# Altium PCB HYDRA_V3_NAV.PcbDoc (part 2 of 2)
Units mm, origin at the board's own origin, x right, y up, seen from the top; angles counter-clockwise.
Board outline 50.1 x 45.1 mm, 4 copper layers (TOP SIG, PWR + INT SIG, GND, BOTTOM SIG), stack 1.586 mm thick; 171 components, 128 nets, 697 pads, 193 vias.
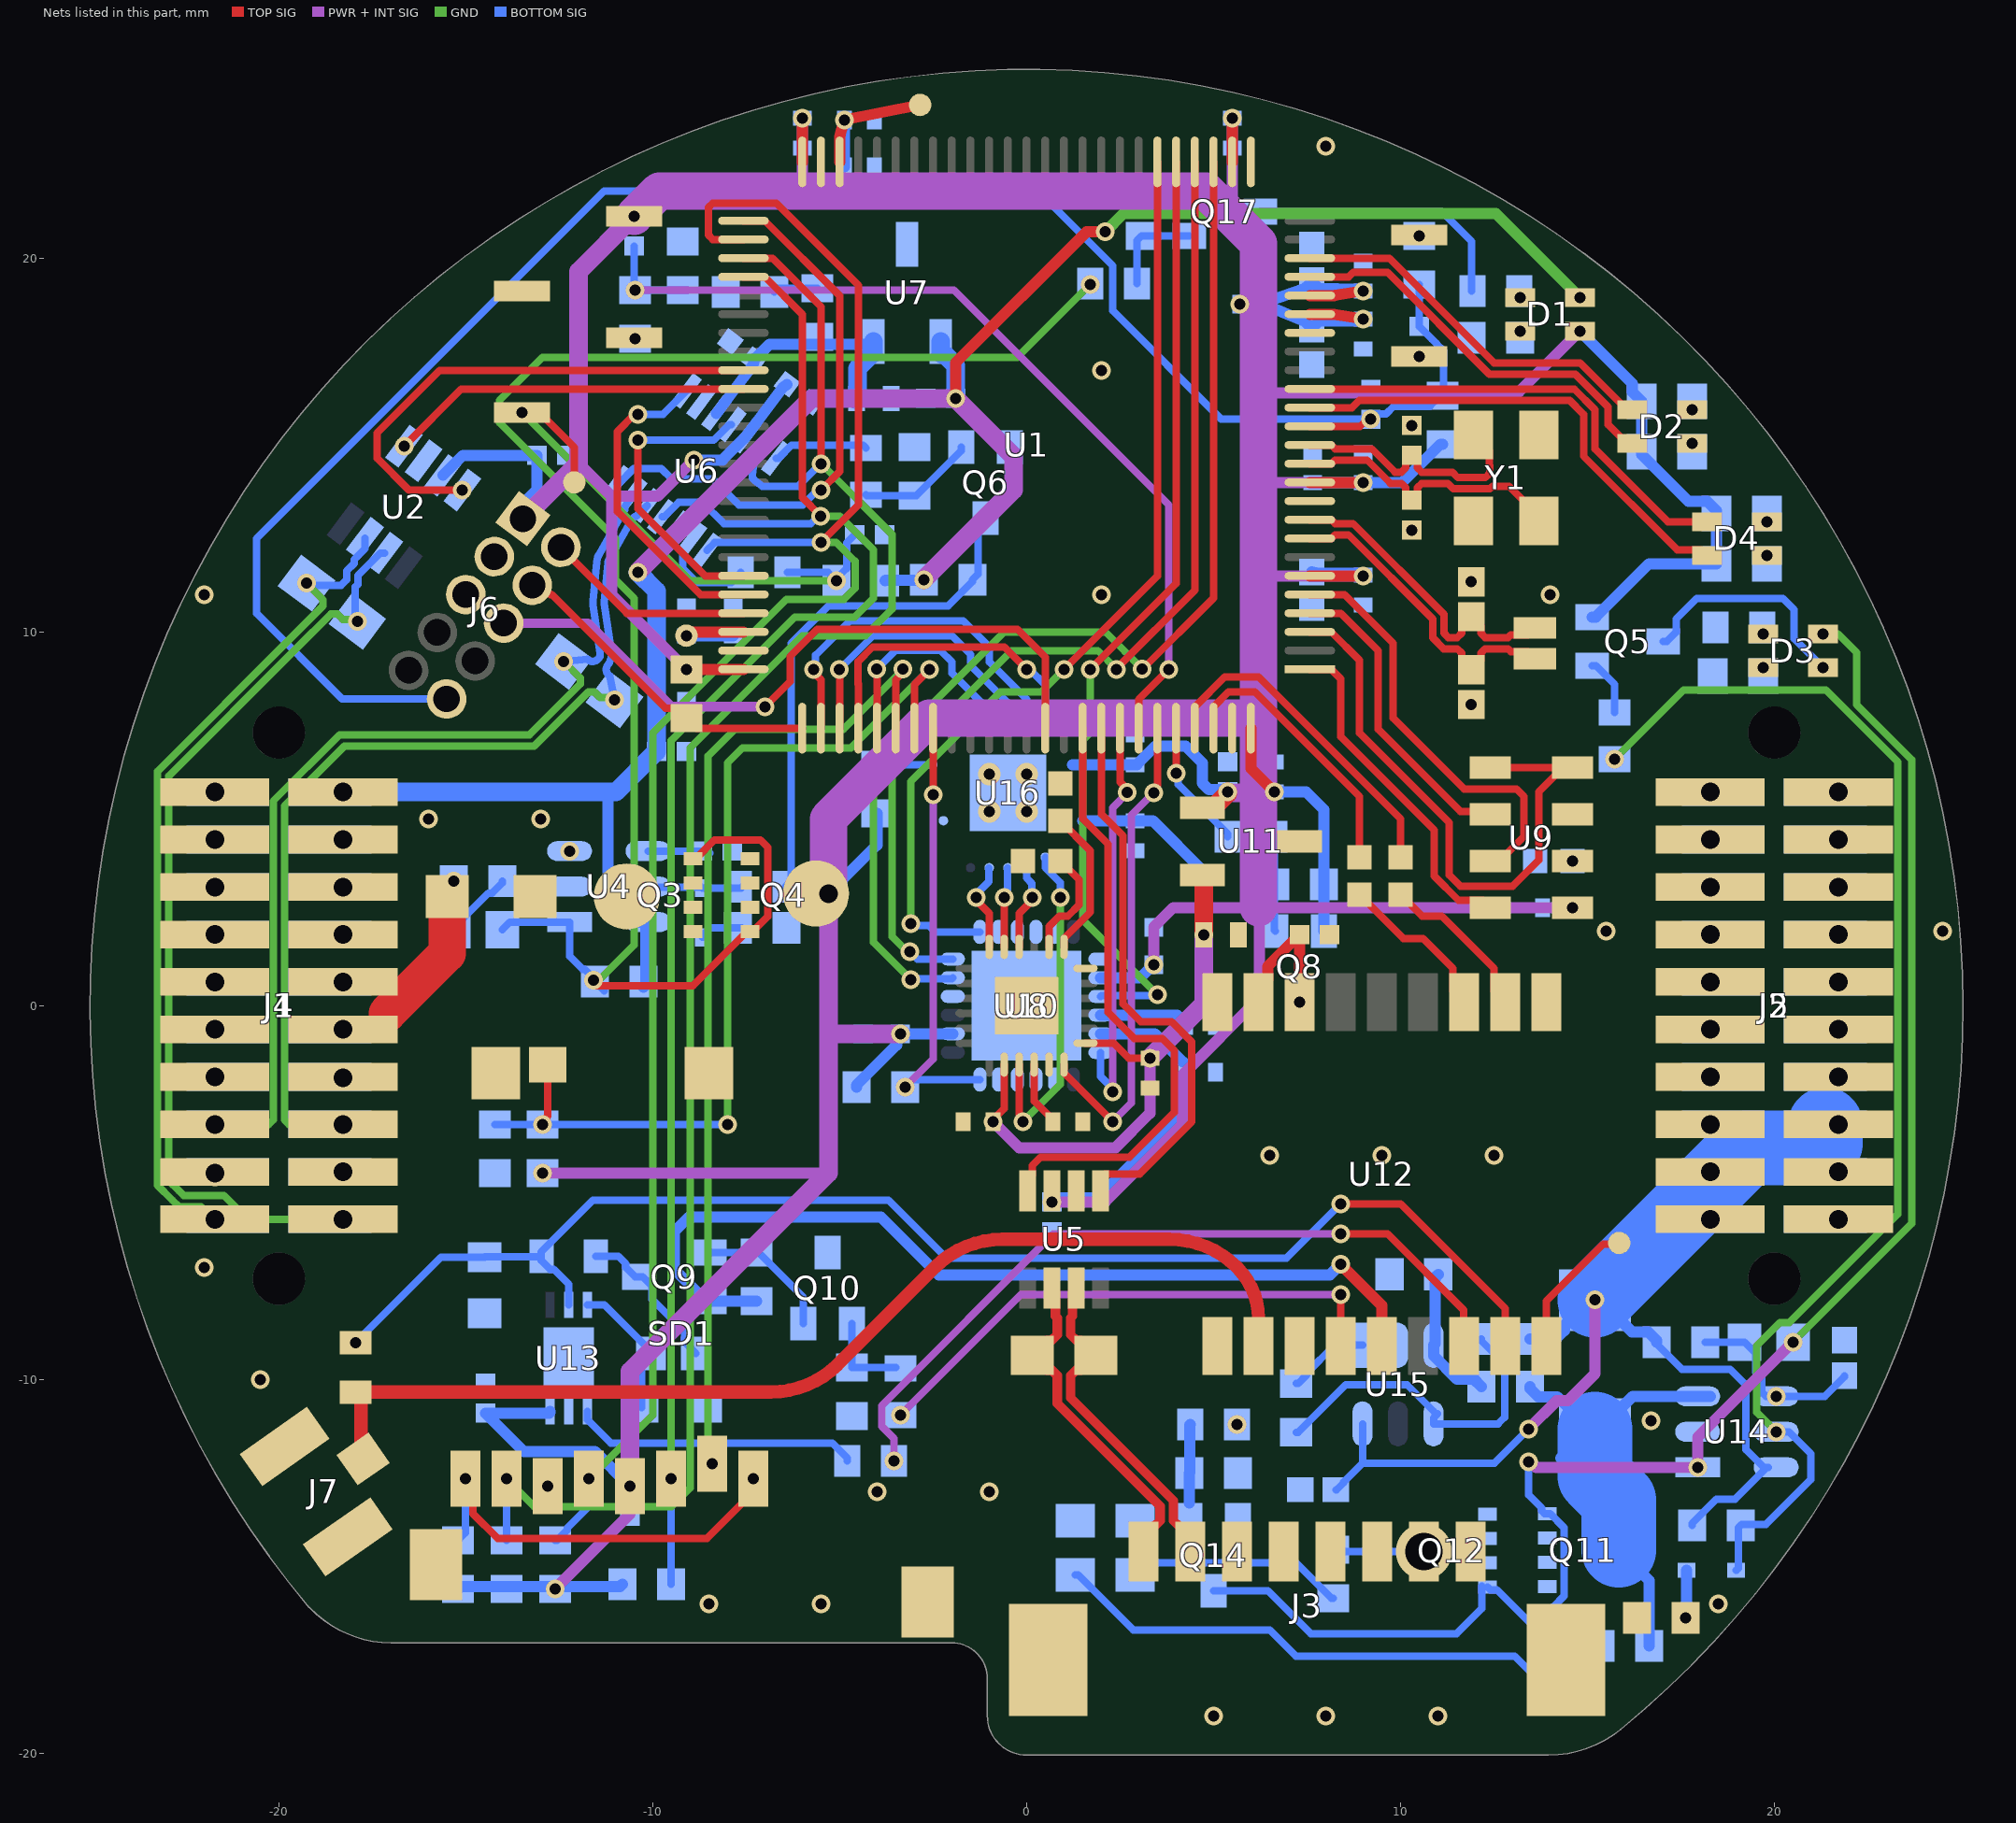
[diagram p4: the nets of this part, all layers, seen from the top]

## Part data (continued)
SW1 SW2 SW3: library part CMP-10040-000029-1, "SWITCH TACTILE SPST-NO 0.02A 15V", Current Rating=5A, Flammability Rating="UL94 V-0", Insulation Color=Black, Max Operating Temperature=85°C, Min Operating Temperature=-40°C, Operating Force=240gf, Actuator Type=Standard, Connector Type=USB, Contact Plating=Gold, Gender=Receptacle, Illumination Type=Non-Illuminated, Mechanical Life=500000Cycles, Mount="Surface Mount", Number Of Contacts=24, Number of Ports=1, Packaging="Tape and Reel", Switch Function=Off-Mom, Switch Travel=0.13mm, Termination=Solder, Throw Configuration=SPST
TP5 TP6 TP7 TP13: library part CMP-00028-00002-2, "0.6mm round", Pins=1
U1: library part CMP-12105-000107-1, "IC MCU 32BIT 128KB FLASH 100LQFP"
U2 U5: library part CMP-04872-000178-1, "IC TRANSCEIVER 1/1 SOT23-8", Case/Package=SOT-23-8, Max Operating Temperature=125°C, Min Operating Temperature=-40°C, Data Rate=1Mbps, Lead Free="Lead Free", Mount="Surface Mount", Packaging="Tape and Reel", RoHS Compliant=Yes
U4 U14 U15: library part CMP-04896-000098-1, "40V, RAIL-TO-RAIL INPUT, PUSH-PU"
U6: library part CMP-318-000000-2, "Automotive CAN FD transceiver with watchdog, bus diagnostics and partial networking via sele 14-SOT-23-THIN -40 to 150", Component Type=Standard, Design Item ID=CMP-015-00012-2, Pin Count=14, Source=TCAN1146DYYRQ1.SchLib
U7: library part CMP-019-00041-1, "Ldo Cmos Lowcurr SOT23 T&r 3K"
U8: library part CMP-010-00029-2, "6-axis IMU with extended temperature range and high VRE performance"
U9: library part CMP-2000-05251-1, "Barometric Pressure Sensor, with Stainless Steel Cap, 1.8 to 3.6 V, -45 to 85 degC, 8-Pin QFN, RoHS, Tape and Reel", Manufacturer="Measurement Specialties", Operating Pressure Max=1200mbar, Operating Pressure Min=10mbar, Operating Temperature Max=85degC, Operating Temperature Min=-40degC, Package Description="8-Pin Surface Mount Device, Body 5 x 3 mm, Pitch 1.25 mm", Package Reference=MS561101BA03-50-8, Sensor Case Style=QFN, Supply Current=12.5µA, Supply Voltage Max=3.6V, Supply Voltage Min=1.8V, Connection Size=0.5mm, Datasheet URL=http://www.te.com/commerce/DocumentDelivery/DDEController?Action=srchrtrv&DocNm=MS5611-01BA03&DocType=Data+Sheet&DocLang=English&DocFormat=pdf&PartCntxt=CAT-BLPS0036, Datasheet Version=Sep-15, Manufacturer URL=http://www.meas-spec.com/, No. of Pins=8, Pressure Type=Barometric, SVHC=NoSVHC(20-Jun-2013)
U10: library part CMP-2000-07532-1, "World’s Lowest Power 9-Axis MEMS MotionTracking(TM) Device, 1.71 to 3.6 V, -40 to 85 degC, 24-Pin QFN, RoHS, Tape and Reel", Manufacturer=TDK, Package Description="24-Pin Quad Flat No-lead Package, Body 3 x 3 mm, Pitch 0.4 mm", Package Reference=QFN-24, Datasheet URL=https://www.invensense.com/wp-content/uploads/2016/06/DS-000189-ICM-20948-v1.3.pdf, Datasheet Version="Rev. 1.3, 06/2017", Manufacturer URL=http://www.tdk.com/, Mounting Technology=SurfaceMount
U11: library part CMP-019-00042-1, "Fixed Positive LDO Regulator", RoHS Compliant=Yes
U12: library part CMP-010-00031-1, "Gnss Lcc Rx Mod, Rom, Crystal"
U13: library part CMP-09116-000039-1, "IC OPAMP GP 1 CIRCUIT 6DFN", Case/Package=DFN, Input Bias Current=12nA, Input Offset Voltage (Vos)=1.2mV, Max Operating Temperature=85°C, Max Supply Voltage=18V, Min Operating Temperature=-40°C, Min Supply Voltage=1.8V, Operating Supply Current=20uA, Output Current per Channel=10mA, Package Quantity=1, Power Supply Rejection Ratio (PSRR)=86dB, Voltage Gain=120dB, Bandwidth=60kHz, Common Mode Rejection Ratio=68dB, Gain Bandwidth Product=60kHz, Lead Free="Lead Free", Mount="Surface Mount", Number of Amplifiers=1, Number of Circuits=1, Number of Elements=1, Number of Pins=6, Packaging="Tape and Reel", REACH SVHC="No SVHC", Slew Rate=0.018V/µs, Unity Gain Bandwidth Product=60kHz
U16: library part CMP-04899-000011-1, "IC TRNSLTR BIDIRECTIONAL 14VQFN", Ambient Temperature Range High=+85°C, Ambient Temperature Range Low=-40°C, Manufacturer="Texas Instruments", Max Junction Temp=+150°C, Max Supply Voltage=5.5V, Min Supply Voltage=1.2V, Nominal Supply Current=0.06-3.5uA, Package=RGY0014A, Temperature="-40°C to +85°C", Automotive=No, Category=IC, ComponentLink2Description=Datasheet, ComponentLink2URL=http://www.ti.com/lit/ds/symlink/txb0104.pdf, Data Rate=100Mbits/s, Device Class L1="Integrated Circuits (ICs)", Device Class L2="Logic ICs", Device Class L3="Voltage Level Shifters", Digikey Description="IC TRNSLTR BIDIRECTIONAL 14VQFN", Height=1mm, Lead Free=Yes, Logic Function Desc=Non-Inverting, Manufacturer Part Number=TXB0104RGYR, Mouser Description="4-Bit Bidirectional Voltage-Level Shifter with Auto Direction Sensing and +/-15 kV ESD Protect 14-VQFN -40 to 85", Number of Circuits=1, Number Of Inputs=4, Number Of Outputs=4, Octopart=https://octopart.com/txb0104rgyr-texas+instruments-1485948, Propagation Delay=4ns, RoHS=TRUE, Standoff Height=0mm, Temperature Range High=+85°C, Temperature Range Low=-40°C, V A Max=3.6V, V A Min=1.2V, V B Max=5.5V, V B Min=1.65V
Y1: library part CMP-27762-011708-1, "Crystal 48MHz ±20ppm 18pF SMD-4 3.2mm x 2.5mm", Case/Package=CSMD, ESR (Equivalent Series Resistance)=35R, Frequency=48MHz, Frequency Stability=50ppm, Frequency Tolerance=20ppm, Load Capacitance=18pF, Max Operating Temperature=70°C, Min Operating Temperature=-20°C, Operating Frequency="48 MHz", Package Quantity=1000, Resistor Type=Ceramic, Depth=2.5mm, Height=0.031inch, Lead Free="Lead Free", Length=3.2mm, Mount="Surface Mount", Number of Pins=4, Packaging="Tape and Reel", Radiation Hardening=No, REACH SVHC="No SVHC", RoHS Compliant=Yes, Series=ABM8, Series Resistance=35R, Termination=SMD/SMT, Tolerance=20ppm, Width=0.098inch
Y2: library part CMP-40224-000006-1, "CRYSTAL 32.7680KHZ 12.5PF SMD", Frequency=32.768kHz, Load Capacitance=12.5pF, Manufacturer="ECS International", Package=ECX-1210, Temperature="-40°C to +85°C", Temperature Range High=+85°C, Temperature Range Low=-40°C, Tolerance=20ppm, Automotive=No, Category=Crys, ComponentLink2Description=Datasheet, ComponentLink2URL=https://ecsxtal.com/store/pdf/ECX-1210.pdf, Device Class L1="Passive Components", Device Class L2="Crystals / Oscillators", Device Class L3=Crystals, Digikey Description="CRYSTAL 32.7680KHZ 12.5PF SMD", Esr=90kΩ, Height=0.5mm, Lead Free=Yes, Manufacturer Part Number=ECS-.327-12.5-1210-TR, Octopart=https://octopart.com/ecs-.327-12.5-1210-tr-ecs+international-81221340, RoHS=TRUE, Series=ECX-1210

## Via types
v1: diameter 0.5, hole 0.3, TOP SIG to BOTTOM SIG, 146 vias
v2: diameter 0.7, hole 0.5, TOP SIG to BOTTOM SIG, 40 vias
v3: diameter 0.6, hole 0.3, TOP SIG to BOTTOM SIG, 4 vias
v4: diameter 0.75, hole 0.5, TOP SIG to BOTTOM SIG, 1 vias
v5: diameter 1.5, hole 1, TOP SIG to BOTTOM SIG, 1 vias
v6: diameter 0.5, hole 0.2, TOP SIG to BOTTOM SIG, 1 vias

## Nets (pads, with @x,y where several pads share a name; then routed paths per layer and width w, separated by ;. In a path a pad name is that pad's centre, name@x,y a point inside that pad or via, vN(x,y) a via of type N, cw(c..) or ccw(c..) an arc to the next point about the centre after c; other vN are vias at no path point)
1V8: C40.2 C41.2 C42.1 C50.2 U10.8 U10.13 U11.2 U16.1 | length 20.9
  TOP SIG w0.2: v1(-0.9,-3.1) -0.9,-3.05 -0.6,-2.75 U10.8@-0.6,-1.575 ; U10.13@1.575,-1 2.325,-1 2.725,-1.4 v1(3.3,-1.4)
  TOP SIG w0.5: U11.2@4.7,3.5 4.737,3.463 v1(4.737,1.9)
  PWR + INT SIG w0.3: v1(-0.9,-3.1) -0.2,-3.8 2.378,-3.8 3.3,-2.878 v1(3.3,-1.4)
  PWR + INT SIG w0.5: v1(3.3,-1.4) 4.737,0.037 v1(4.737,1.9)
  BOTTOM SIG w0.3: U16.1@1.5,4.95 C50.2@2.9,4.95 2.906,4.944 3.381,4.944 4.737,3.588 v1(4.737,1.9)
3V3: C2.2 C3.1 C4.2 C5.2 C6.2 C7.2 C8.2 C9.2 C18.1 C19.2 C23.2 C30.2 C34.2 C35.1 C36.1 C37.2 C43.2 C44.1 C47.1 C51.2 D1.2 FB1.1 J6.01 Q4.5-6-7-8 Q5.2 Q8.2 R2.1 R22.2 R25.2 R28.2 R29.1 R30.2 R31.2 R34.2 R42.2 R44.2 R45.2 R46.2 R47.2 R48.2 SD1.4 SW2.2 U1.6 U1.11 U1.27 U1.50 U1.75 U1.100 U2.3 U5.3 U6.5 U8.8 U8.11 U8.20 U9.1 U11.1 U13.6 U16.14 | length 215.1
  TOP SIG w0.3: v1(-9.1,9) U1.75@-7.575,9 ; U1.50@-6,22.575 v1(-6,23.75) ; U1.27@5.5,22.575 v1(5.5,23.75) ; U1.100@6,7.425 6,6.35 v1(6.625,5.725) ; U1.6@7.575,11.5 v1(9,11.5) ; U1.11@7.575,14 v1(9,14)
  TOP SIG w0.5: U11.1@4.7,5.3 5,5.3 5.375,5.675 v1(5.375,5.725)
  PWR + INT SIG w0.3: v1(-12.95,-4.475) -5.3,-4.475 ; v1(-12.61,-15.6) -10.61,-13.6 v1(-10.61,-12.86) ; -11.984,14.516 -11.1,13.632 ; v1(-9.1,9) -11.1,11 -11.1,13.632 ; v1(-8.9,14.6) -9.868,13.632 -11.1,13.632 ; -6.1,21.8 -6,21.9 v1(-6,23.75) ; v1(0.675,-5.25) 2.1,-5.25 4.17,-3.18 4.17,-1.855 6.225,0.2 6.225,2.625 ; 2.9,7.6 3,7.7 ; v1(3.4,1.1) 3.4,2.1 3.925,2.625 6.2,2.625 6.225,2.625 ; 5.5,21.1 v1(5.5,23.75) ; 6.2,11.5 v1(9,11.5) ; 6.2,14 v1(9,14) ; 6.2,16.4 13.15,16.4 v1(14.8,18.05) ; v1(14.6,2.625) 6.225,2.625
  PWR + INT SIG w0.5: J6.01@-13.471,13.029 -11.984,14.516 -11.984,19.641 v1(-10.5,21.125) ; v1(-10.61,-12.86) -10.61,-9.785 -5.3,-4.475 -5.3,-0.75 ; v4(-5.3,3) -5.3,-0.75 ; v1(-3.375,-0.75) -5.3,-0.75 ; v1(5.375,5.725) 5.4,5.7 6.2,5.7
  PWR + INT SIG w1: v1(-10.5,21.125) -9.825,21.8 -6.1,21.8 4.8,21.8 5.5,21.1 6.2,20.4 6.2,16.4 6.2,14 6.2,11.5 6.2,7.7 ; v4(-5.3,3) -5.3,5 -2.6,7.7 3,7.7 6.2,7.7 ; 6.2,2.625 6.2,5.7 6.2,7.7
  BOTTOM SIG w0.3: U2.3@-15.612,14.189 -15.076,14.725 C2.2@-13.1,14.725 -13.1,13.797 -13.471,13.425 J6.01@-13.471,13.029 ; R47.2@-15.21,-15.6 -15.148,-15.538 -10.872,-15.538 R45.2@-10.81,-15.475 ; U13.6@-12.75,-10.85 -12.75,-10.875 -12.775,-10.9 C47.1@-14.475,-10.9 -13.45,-11.925 -11.545,-11.925 v1(-10.61,-12.86) ; v1(-8.9,14.6) -8.141,14.6 U6.5@-7.494,15.246 -7.289,15.515 -6.501,16.56 C23.2@-6.405,16.625 ; v4(-5.3,3) -4,4.3 R34.2@-4,5.15 ; R31.2@-4.55,-2.175 -4.55,-2.125 -3.475,-1.05 -3.475,-0.85 v1(-3.375,-0.75) U8.20@-1.975,-0.75 ; v1(0.675,-5.25) 0.785,-5.14 1.91,-5.14 4.25,-2.8 C37.2@4.25,-1.775 ; U16.14@1.225,6.45 C51.2@2.9,6.45 2.95,6.45 3.45,6.95 4.25,6.95 4.7,6.5 4.7,5.958 4.876,5.782 5.318,5.782 v1(5.375,5.725) ; U8.11@1.975,-0.75 3.428,-0.75 4.2,-1.522 ; U8.8@1.975,0.75 3.05,0.75 v1(3.4,1.1) ; v1(6.625,5.725) 7.475,5.725 7.95,5.25 R48.2@7.95,3.25 Q8.2@7.95,2 ; C18.1@7.625,11.604 7.811,11.575 8.9,11.575 8.988,11.509 v1(9,11.5) ; C3.1@7.65,14 v1(9,14) 10.05,14 11.075,15.025 R29.1@11.125,15.025 ; v1(14.8,18.05) 16.2,16.65 16.2,16.425 R25.2@16.45,16.175 R22.2@16.45,14.825 16.45,14.75 17.7,13.5 18.2,13.5 18.45,13.25 R30.2@18.45,13.175 R28.2@18.45,11.825 16.65,11.825 15.225,10.4 Q5.2@15.125,10.4
  other v1: 5.7,18.775
3V3_CUTOFF_MOSFET: Q3.4 Q4.4 R13.2 R17.1 R81.2 U4.1 | length 48.5
  TOP SIG w0.2: v1@-11.587,0.537 -8.925,0.537 -7.475,1.987 Q4.4@-7.4,1.987 -7.325,1.987 -6.925,2.387 -6.925,4.237 -7.125,4.437 -8.347,4.437 -8.85,3.935 Q3.4@-8.925,3.935 Q3.4@-9,3.935
  GND w0.2: v1@-11.587,0.537 -10.5,1.625 -10.5,10.9 -11,11.4 -11,12.5 -14.1,15.6 -14.1,16.2 -12.95,17.35 -0.25,17.35 v1@1.72,19.32
  BOTTOM SIG w0.2: R17.1@-14.025,2.037 -13.825,2.237 U4.1@-12.225,2.237 -12.225,1.325 -11.875,0.975 -11.825,0.975 -11.587,0.737 v1(-11.587,0.687) R13.2@-11.55,0.65 R13.2@-11.3,0.4 ; R13.2@-11.587,0.537 R13.2@-11.587,0.587
  other v1: 1.7,19.3
3V3_POST_SHUNT: Q3.5-6-7-8 R15.2 U4.3
  other v1: -12.225,4.137
3V3_PRE_SHUNT: J1.09 J1.10 J1.11 J1.12 J4.09 J4.10 J4.11 J4.12 R15.1 R16.2 | length 3.8
  TOP SIG w1: -17.1,-0.2 -15.5,1.4 R15.1@-15.5,2.922
  other v1: -15.325,3.337
  other v2: -21.715,-0.635 -18.285,-0.633 -21.715,0.635 -18.285,0.635
5V_INT: C22.2 C26.1 R8.2 U6.3 U7.2 | length 6.9
  BOTTOM SIG w0.3: U6.3@-8.293,15.848 -8.091,16.12 -7.304,17.165 C22.2@-7.284,17.287 -6.871,17.7 -5.6,17.7 -4.175,17.7 U7.2@-4.1,17.775
  BOTTOM SIG w0.5: C26.1@-4.575,16.225 C26.1@-4.55,16.25 -4.525,16.275 -4.525,17.05 -4.1,17.475 U7.2@-4.1,17.775
ACT_PWR: J3.6 J3.7 J3.8 Q12.5-6-7-8 R65.1 | length 2.4
  BOTTOM SIG w0.2: R65.1@8.2,-14.55 8.25,-14.6 v5(10.625,-14.6)
ACT_PWR_EN: D7.1 R18.1 R60.1 U14.5 | length 34.5
  GND w0.2: v1(15.725,6.6) 17.575,8.45 21.375,8.45 23.3,6.525 23.3,-5.575 20.4,-8.475 20.15,-8.475 19.525,-9.1 19.525,-10.875 v1(20.05,-11.4)
  BOTTOM SIG w0.2: D7.1@18.975,-15.1 18.988,-15.1 19.038,-15.05 19.038,-13.963 R60.1@19.1,-13.9 19.125,-13.875 19.775,-13.875 20.975,-12.675 20.975,-11.987 20.388,-11.4 v1(20.05,-11.4)
ACT_PWR_FAULT: R57.2 R58.2 | length 14.1
  BOTTOM SIG w0.2: R58.2@1.3,-15.225 1.375,-15.225 2.85,-16.7 6.5,-16.7 7.2,-17.4 13.05,-17.4 R57.2@14.1,-18.45
ACT_PWR_RST: R67.2
  other v1: 5.625,-11.207
ANT_DETECT: R56.1 U12.7 | length 20.9
  TOP SIG w0.2: v1(8.4,-6.108) 9.658,-6.108 11.692,-8.142 11.692,-9.092 U12.7@11.7,-9.1
  PWR + INT SIG w0.2: v1(-3.55,-12.175) -3.55,-11.581 -3.875,-11.256 -3.875,-10.7 0.717,-6.108 v1(8.4,-6.108)
ANT_SENSE: R53.1 R55.2 U13.3 | length 3.8
  BOTTOM SIG w0.2: U13.3@-11.75,-8 -11.3,-8 -10.05,-9.25 R53.1@-10.05,-9.3 -10.3,-9.55 R55.2@-10.3,-10.75
ANT_SHORT_N: C46.1 L1.1 R51.1 U12.8 U13.2 | length 37.5
  TOP SIG w0.2: v1(8.4,-5.3) 10,-5.3 12.8,-8.1 U12.8@12.8,-9.1
  BOTTOM SIG w0.2: v1(-17.95,-9.012) -15.663,-6.725 C46.1@-14.5,-6.725 -14.487,-6.712 R51.1@-12.988,-6.712 ; U13.2@-12.25,-8 -12.25,-7.45 -12.65,-7.05 -12.75,-7.05 -12.988,-6.813 R51.1@-12.988,-6.712 ; v1(8.4,-5.3) 6.95,-6.75 -2.15,-6.75 -3.7,-5.2 -11.6,-5.2 -12.988,-6.587 R51.1@-12.988,-6.712
BARO_MISO: U1.4 U9.6 | length 8.3
  TOP SIG w0.2: U1.4@7.575,10.5 8.4,10.5 9.4,9.5 9.4,7.4 11.6,5.2 12.325,5.2 U9.6@12.4,5.125
BARO_MOSI: U1.5 U9.7 | length 11.4
  TOP SIG w0.2: U1.5@7.575,11 8.5,11 9.8,9.7 9.8,7.7 11.7,5.8 13.1,5.8 13.3,5.6 13.3,4.525 12.65,3.875 U9.7@12.4,3.875
BARO_nCS: U1.3 U9.4 U9.5 | length 16.1
  TOP SIG w0.2: U1.3@7.575,10 8.147,10 8.9,9.247 8.9,7.3 11.3,4.9 11.3,3.5 11.6,3.2 13,3.2 13.7,3.9 13.7,5.725 U9.4@14.35,6.375 ; U9.5@12.4,6.375 U9.4@14.35,6.375 ; U9.4@14.6,6.375 U9.4@14.35,6.375
BARO_SCLK: U1.1 U9.8 | length 9.1
  TOP SIG w0.2: U1.1@7.575,9 7.582,8.994 8.153,8.994 8.4,8.747 8.4,7.2 10.9,4.7 10.9,3.473 11.548,2.825 12.2,2.825 U9.8@12.4,2.625
BOOT: C30.1 R1.2 R26.1 U1.94 | length 25.5
  TOP SIG w0.2: U1.94@3,7.425 3,8.2 v1(3.8,9)
  PWR + INT SIG w0.2: v1(-10.475,19.15) -1.95,19.15 3.8,13.4 v1(3.8,9)
  BOTTOM SIG w0.2: C30.1@-10.5,20.325 -10.5,19.175 v1(-10.475,19.15) R1.2@-9.075,19.15
CAN0_N: J1.16 J4.16 R5.2 U6.12 | length 25.8
  GND w0.2: v2(-18.285,-3.175) -19.732,-3.175 -19.849,-3.058 -19.849,5.349 -18.25,6.948 -13.169,6.948 -11.725,8.392 -11.56,8.392 -11.413,8.246 -11.079,8.246 v1(-11.021,8.188)
  BOTTOM SIG w0.2: v1(-11.021,8.188) -11.145,8.814 -11.164,8.828 cw(c-11.044,8.988) -11.203,9.108 ccw(c-11.604,9.41) -11.108,9.485 -11.298,10.754 cw(c-11.101,10.784) -11.3,10.802 -11.201,11.84 cw(c-11.002,11.822) -11.176,11.921 -10.555,13.009 cw(c-10.382,12.909) -10.541,13.029 cw(c-10.382,12.909) -10.426,13.104 U6.12@-10.15,13.383
CAN0_P: J1.15 J4.15 R5.1 U6.13 | length 26.1
  GND w0.2: v2(-21.715,-3.175) -20.268,-3.175 -20.151,-3.058 -20.151,5.474 -18.375,7.25 -13.294,7.25 -11.938,8.605 -11.938,8.771 v1(-12.379,9.212)
  BOTTOM SIG w0.2: v1(-12.379,9.212) -11.744,9.265 -11.724,9.251 ccw(c-11.604,9.41) -11.444,9.29 ccw(c-11.604,9.41) -11.406,9.44 -11.597,10.709 cw(c-11.101,10.784) -11.6,10.829 cw(c-11.3,10.802) -11.6,10.831 -11.501,11.869 cw(c-11.002,11.822) -11.438,12.07 -10.817,13.158 cw(c-10.382,12.909) -10.782,13.211 ccw(c-10.942,13.332) U6.13@-10.742,13.342 ; U6.13@-10.742,13.342 U6.13@-10.55,13.684
CAN1_N: J1.20 J4.20 R3.1 U2.6 | length 25.1
  GND w0.2: v2(-18.285,-5.715) -20.835,-5.715 -21.475,-5.075 -22.55,-5.075 -22.675,-4.95 -22.948,-4.677 -22.948,6.14 -19.531,9.557 -18.605,10.483 -18.439,10.483 -18.293,10.337 -17.958,10.337 v1(-17.901,10.28)
  BOTTOM SIG w0.2: v1(-17.901,10.28) -17.953,10.332 -17.953,11.204 -17.882,11.276 -17.882,11.512 -17.281,12.113 U2.6@-17.177,12.113
CAN1_P: J1.19 J4.19 R3.2 U2.7 | length 22.5
  GND w0.2: v2(-21.715,-5.715) -21.744,-5.715 -22.082,-5.377 -22.675,-5.377 -22.852,-5.2 -23.25,-4.802 -23.25,6.265 -19.656,9.859 -18.818,10.697 -18.818,10.862 v1(-19.259,11.303)
  BOTTOM SIG w0.2: v1(-19.259,11.303) -19.206,11.25 -18.334,11.25 -18.184,11.401 -18.184,11.637 -17.988,11.833 -17.988,11.936 -17.696,12.228 U2.7@-17.696,12.504
CAN1_RX: U1.70 U6.4 | length 8.1
  TOP SIG w0.2: v1(-10.4,15.134) -10.4,13.3 -8.6,11.5 U1.70@-7.575,11.5
  BOTTOM SIG w0.2: v1(-10.4,15.134) -8.366,15.134 -7.952,15.547 U6.4@-7.894,15.547
CAN1_TX: U1.71 U6.1 | length 8.7
  TOP SIG w0.2: v1(-10.4,15.825) -10.481,15.825 -10.95,15.356 -10.95,13.225 -8.725,11 U1.71@-7.575,11
  BOTTOM SIG w0.2: v1(-10.4,15.825) -9.721,15.825 -9.096,16.45 U6.1@-9.092,16.45
CAN2_N: J3.1 R4.1 U5.6 | length 9.2
  TOP SIG w0.254: U5.6@0.675,-7.55 0.773,-7.648 0.773,-8.306 0.822,-8.355 0.822,-8.803 0.673,-8.952 0.548,-8.952 R4.1@0.15,-9.35 0.548,-9.748 0.673,-9.748 0.822,-9.897 0.822,-10.641 3.572,-13.391 3.572,-13.778 3.423,-13.927 3.398,-13.927 3.125,-14.2 J3.1@3.125,-14.6
CAN2_P: J3.2 R4.2 U5.7 | length 9.2
  TOP SIG w0.254: U5.7@1.325,-7.55 1.227,-7.648 1.227,-8.306 1.178,-8.355 1.178,-8.803 1.327,-8.952 1.452,-8.952 R4.2@1.85,-9.35 1.452,-9.748 1.327,-9.748 1.178,-9.897 1.178,-10.494 3.928,-13.244 3.928,-13.778 4.077,-13.927 4.102,-13.927 4.375,-14.2 J3.2@4.375,-14.6
CAN2_RX: U1.91 U5.4 | length 16.6
  TOP SIG w0.2: U5.4@0.025,-4.625 0.025,-4.65 0.15,-4.525 0.15,-4.275 0.375,-4.05 2.75,-4.05 3.95,-2.85 3.95,-1.2 3.625,-0.875 2.875,-0.875 2.175,-0.175 2.175,4.325 1.5,5 U1.91@1.5,7.425
CAN2_TX: U1.92 U5.1 | length 15.1
  TOP SIG w0.2: U5.1@1.975,-4.65 1.975,-4.625 2.1,-4.5 3.025,-4.5 4.415,-3.11 4.415,-0.965 3.875,-0.425 3.05,-0.425 2.575,0.05 2.575,4.55 2,5.125 U1.92@2,7.425
CAN3_RX: U1.59 U2.4 | length 13.8
  TOP SIG w0.2: v1(-15.093,13.798) -16.523,13.798 -17.375,14.65 -17.375,15.325 -15.7,17 U1.59@-7.575,17
CAN3_TX: U1.60 U2.1 | length 9.7
  TOP SIG w0.2: v1(-16.65,14.972) -15.122,16.5 U1.60@-7.575,16.5
CAN_INH: R24.2 U6.7 | length 2.6
  BOTTOM SIG w0.2: U6.7@-6.696,14.644 -6.637,14.644 -6.281,15 -4.375,15 R24.2@-4.3,14.925
CAN_nCS: U1.51 U6.14 | length 15
  TOP SIG w0.2: U1.51@-7.575,21 -7.004,21 -5,18.996 -5,14.293 -5.493,13.8 v1(-5.5,13.8)
  BOTTOM SIG w0.2: U6.14@-10.949,13.985 -10.891,13.985 -10.508,14.368 -9.768,14.368 -9.5,14.1 -8.4,14.1 -7.7,13.4 -5.981,13.4 -5.581,13.8 v1(-5.5,13.8)
CUTOFF_MOSFET: D3.3 Q11.4 Q12.4 Q14.3 R57.1 R63.1 R64.1 U14.1 | length 48.3
  PWR + INT SIG w0.3: v1(13.425,-12.2) 13.479,-12.2 13.629,-12.35 v1(17.95,-12.35) 17.95,-11.55 v1(20.5,-9)
  GND w0.2: v1(20.5,-9) 23.675,-5.825 23.675,6.577 22.2,8.052 22.2,9.45 21.7,9.95 v1(21.3,9.95)
  BOTTOM SIG w0.2: Q14.3@5,-15.65 6.45,-15.65 7.6,-16.8 11.5,-16.8 12.173,-16.127 Q12.4@12.173,-15.527 ; Q12.4@12.325,-15.55 12.4,-15.625 12.575,-15.625 13.775,-16.825 13.775,-16.875 14.05,-17.15 R57.1@14.1,-17.15 ; v1(13.425,-12.2) 13.425,-13.088 13.775,-13.438 13.775,-13.513 13.85,-13.588 Q11.4@13.925,-13.588 14,-13.588 14.377,-13.964 14.377,-15.796 14.1,-16.073 R57.1@14.1,-17.15 ; R63.1@15.35,-17.125 14.125,-17.125 R57.1@14.1,-17.15
GND: C1.2 C2.1 C3.2 C4.1 C5.1 C6.1 C7.1 C8.1 C9.1 C10.2 C11.1 C12.1 C13.1 C14.1 C16.2 C17.1 C18.2 C19.1 C20.2 C21.1 C22.1 C23.1 C24.1 C25.1 C26.2 C27.1 C28.2 C29.2 C31.2 C32.2 C33.2 C34.1 C35.2 C36.2 C37.1 C38.1 C39.1 C40.1 C41.1 C42.2 C43.1 C44.2 C45.2 C46.2 C47.2 C48.2 C49.2 C50.1 C51.1 J1.07 J1.08 J1.13 J1.14 J1.17 J1.18 J2.01 J2.02 J2.03 J2.04 J2.05 J2.06 J2.07 J2.08 J2.09 J2.10 J2.11 J2.12 J3.3 J3.4 J3.5 J3.9 J3.10 J4.07 J4.08 J4.13 J4.14 J4.17 J4.18 J5.01 J5.02 J5.03 J5.04 J5.05 J5.06 J5.07 J5.08 J5.09 J5.10 J5.11 J5.12 J6.03 J6.05 J7.2 J7.3 Q6.2 Q10.3 Q14.2 Q17.2 R1.1 R10.2 R19.1 R20.2 R32.2 R33.2 R35.1 R36.1 R43.1 R54.1 R55.1 R58.1 R62.1 R66.1 R68.1 R72.1 R75.1 R79.2 R82.1 SD1.6 SD1.10 SD1.11 SD1.12 SD1.13 SW1.2 SW3.2 U1.10 U1.19 U1.26 U1.49 U1.74 U1.99 U2.2 U4.2 U5.2 U6.2 U7.3 U8.2 U8.3 U8.4 U8.5 U8.7 U8.14 U8.15 U8.16 U8.17 U8.22 U8.25 U9.3 U10.11 U10.18 U10.25 U11.3 U12.1 U12.3 U12.10 U13.5 U13.7 U14.2 U15.2 U16.7 U16.15 Y1.2 Y1.4
  other v1: 5,-19 8,-19 11,-19 -8.5,-16 -5.5,-16 18.5,-16 -4,-13 -1,-13 -12.81,-12.86 16.7,-11.1 -20.5,-10 -22,-7 6.5,-4 9.5,-4 12.5,-4 15.5,2 24.5,2 -16,5 -13,5 11.894,8.059 -22,11 2,11 14,11 11.894,11.341 10.3,12.725 10.3,15.525 2,17 10.5,17.375 8,23
  other v2: -21.715,-4.475 -18.285,-4.445 -18.285,-1.933 -21.715,-1.905 18.285,-0.635 21.715,-0.635 18.285,0.635 21.715,0.635 -21.715,1.905 -18.285,1.905 18.285,1.905 21.715,1.905 18.285,3.175 21.715,3.175 18.285,4.445 21.715,4.445 18.285,5.715 21.715,5.715